# Allegro board A523-EVB-AXP717C-LPDDR4-4X-32X1-V1-0.brd (continued)
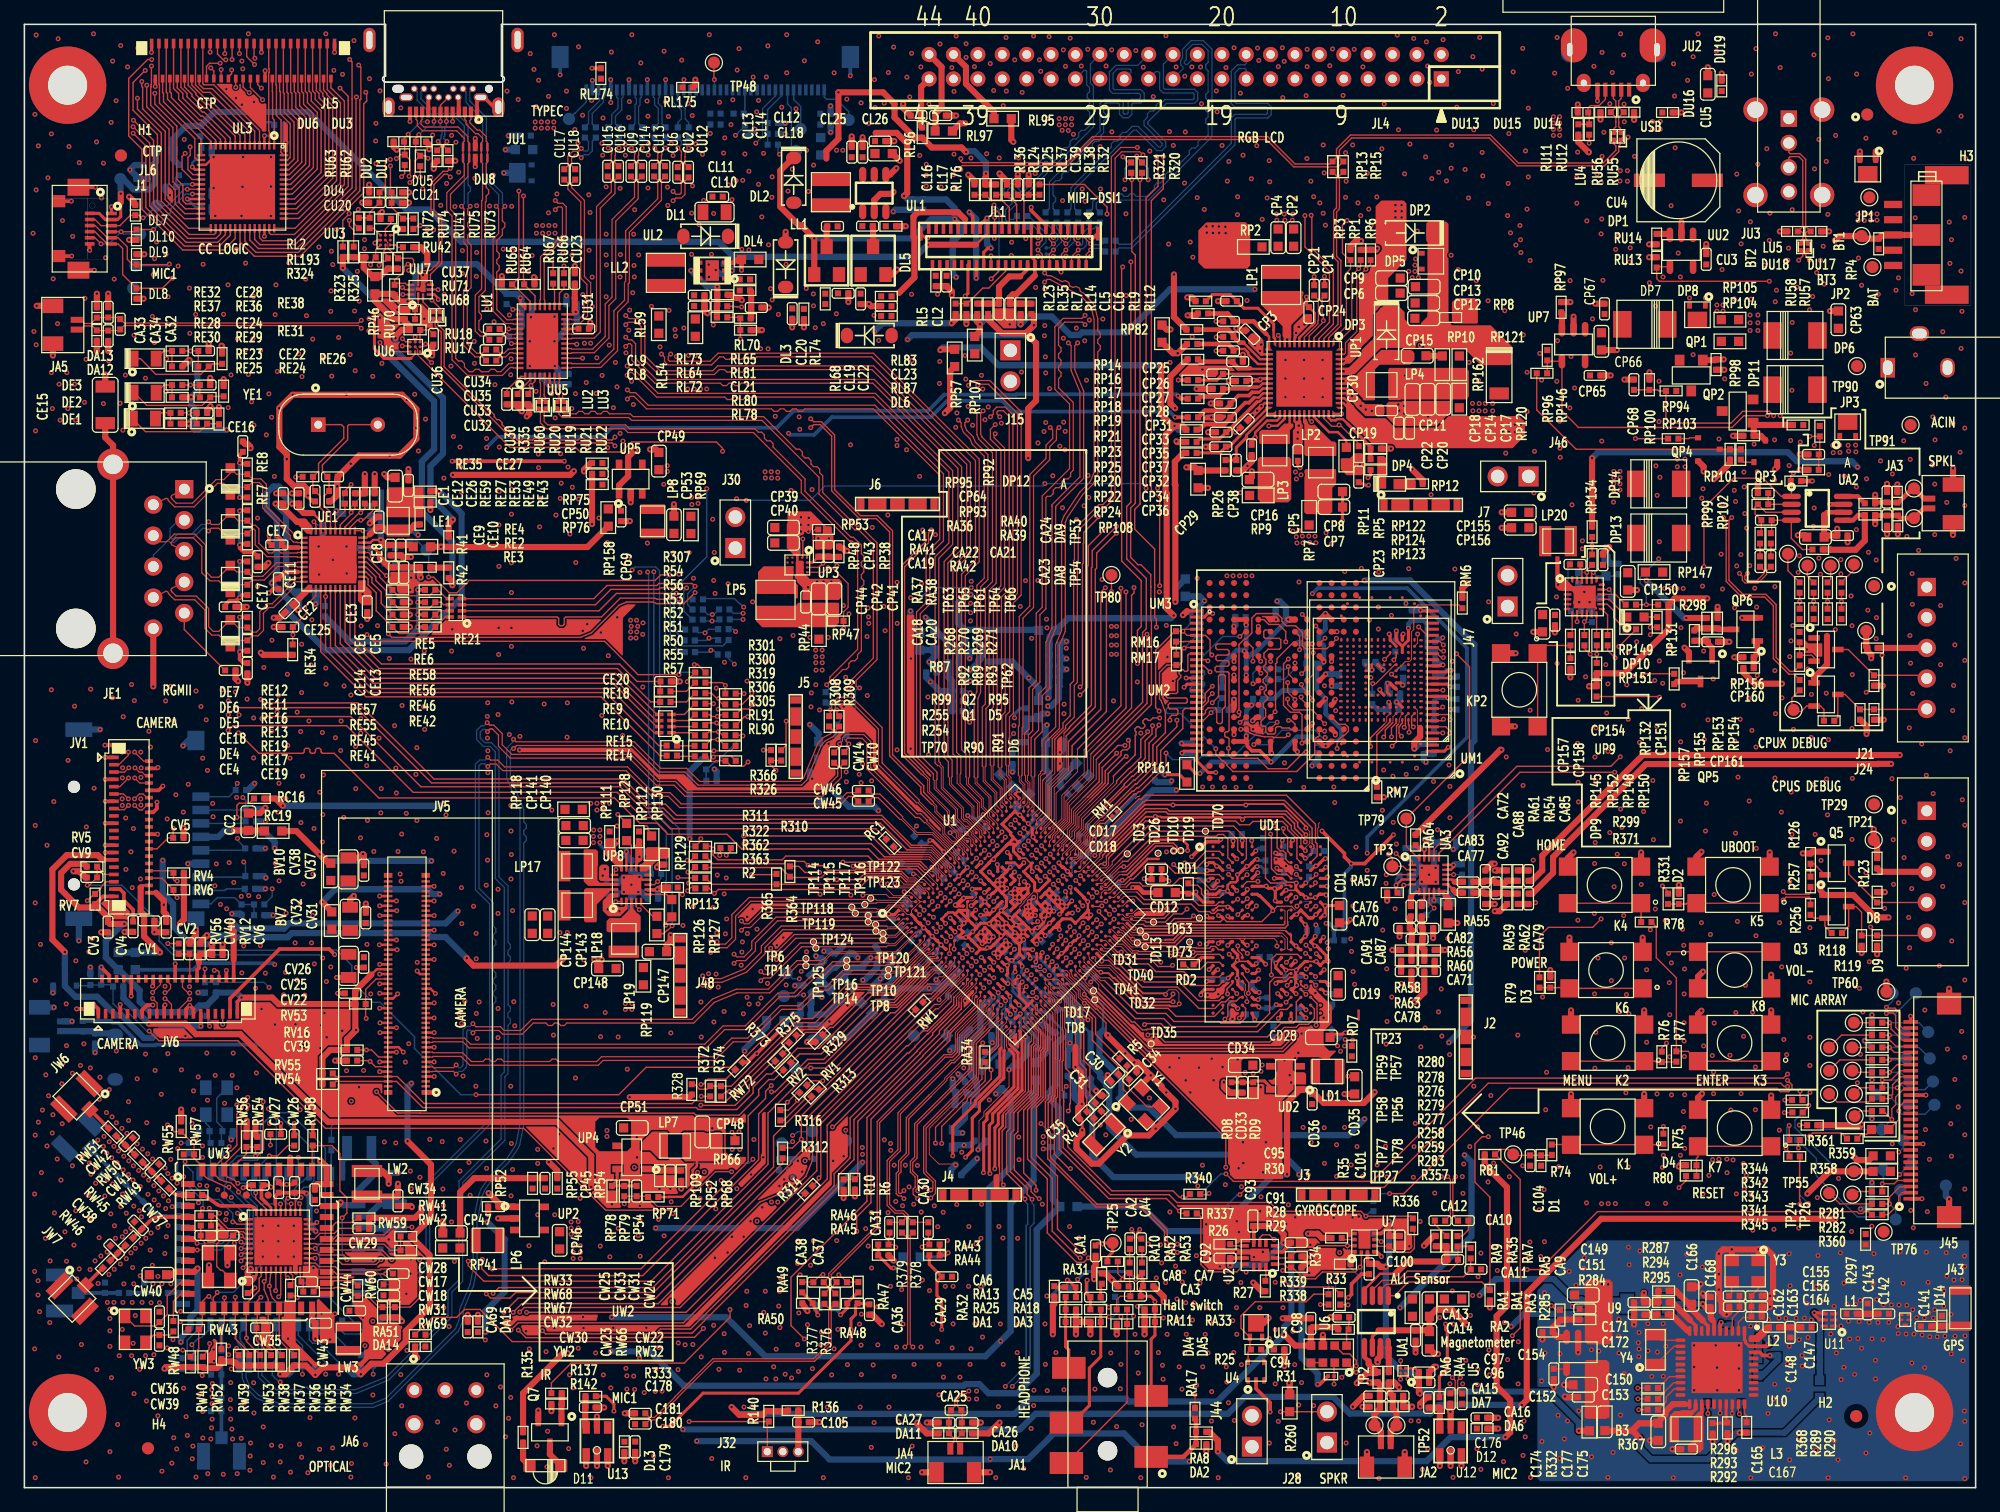
[diagram p0: board, top side]
## Routing (per net, layer and track width the routed paths; a pad name or vN(x,y) marks a point on that pad's centre or on a via; arc(x,y) is an arc through that point) (continued)
PH19: length 36.1
  TOP w0.114: v1(54.93,67.49) 54.96,67.52 55.19,67.52 R307.2 ; v1(74.91,47.68) 74.57,47.34 U1.E6
  L4 w0.076: v1(74.91,47.68) 74.37,47.68 74.02,48.03 71.42,48.03
  L4 w0.114: 71.42,48.03 66.79,48.03 64.61,50.22 63.68,50.22 54.93,58.96 v1(54.93,67.49)
  BOTTOM w0.114: v1(54.93,67.49) 54.96,67.52 55.19,67.52 55.84,66.86 R58.1
PHYRSTB: length 39.8
  TOP w0.114: UE1.12 23.9,73.15 23.11,72.36 23.11,71.68 22.73,71.3 22.73,71.3 CE25.2 22.01,69.95 v1(22.02,69.94) 22,69.92 RE34.2 ; v1(53.67,66.67) 50.31,66.67 47.58,69.41 28.64,69.41 v1(28.09,69.95)
  L4 w0.114: v1(28.09,69.95) 28.08,69.94 v1(22.02,69.94)
  BOTTOM w0.114: R58.2 53.86,66.86 v1(53.67,66.67)
PK10: length 15.2
  TOP w0.102: U1.G5 74.87,46.23 v1(75.15,45.94)
  L4 w0.114: v1(75.15,45.94) 74.26,45.94 73.57,45.25 67.79,45.25 64.12,41.58 63.69,41.58 v1(63.54,41.73)
  BOTTOM w0.114: TP88.1 63,41.73 v1(63.54,41.73)
PK11: length 15.4
  TOP w0.102: v1(74.79,45.59) 74.51,45.86 U1.G4
  L4 w0.114: v1(63.89,40.4) 63.9,40.41 63.9,40.91 67.93,44.94 73.54,44.94 74.19,45.59 v1(74.79,45.59)
  BOTTOM w0.114: v1(63.89,40.4) 63.53,40.4 63.45,40.32 62.97,40.32 62.96,40.31 TP89.1
PL4: length 45.1
  TOP w0.076: U1.AH9 83.81,40.17 84.16,40.17 84.31,40.02 84.31,39.82 84.96,39.17 84.96,37.28
  TOP w0.114: 84.96,37.28 84.96,35.1 84.9,35.04 84.9,31.79 84.9,31.79 84.9,29.73 85.17,29.46 85.17,27.89 89.04,24.02 93.86,24.02 94.5,23.38 102.13,23.38 102.85,22.66 109.6,22.66 v1(109.99,22.26) 113.66,22.26 R336.2
  BOTTOM w0.114: v1(109.99,22.26) 110.34,22.61 110.56,22.61 R346.1
PL5: length 25.9
  TOP w0.076: U1.AJ9 84.06,39.82 84.7,39.17 84.7,37.28
  TOP w0.114: R337.2 94.91,22.48 v1(94.72,22.68) 94.67,22.68 93.64,23.71 88.91,23.71 84.84,27.77 84.84,29.34 84.58,29.6 84.58,31.92 84.71,32.05 84.71,35.12 84.73,35.13 84.73,37.26 84.7,37.28
  BOTTOM w0.114: R347.1 94.91,22.49 v1(94.72,22.68)
PL6: length 50.1
  TOP w0.114: R338.2 108.52,15 v1(108.53,14.99) ; U1.AE9 82.94,41.63 v1(82.94,41.69)
  L3 w0.114: v1(95.22,15.16) 95.58,15.52 108,15.52 v1(108.53,14.99)
  L4 w0.114: v1(82.94,41.69) 82.94,41.36 82.34,40.76 82.34,40.09 82.58,39.86 82.58,36.62 81.2,35.25 81.2,33.84 81.07,33.72 81.07,28.32 82.04,27.36 82.04,26.42 84.39,24.06 84.4,24.06 86.72,21.74 87.55,21.74 94.28,15.01 95.07,15.01 v1(95.22,15.16)
  BOTTOM w0.114: v1(108.53,14.99) 108.5,15.03 R348.1
PL7: length 46.1
  TOP w0.114: v1(82.68,40.61) 82.69,40.62 82.69,40.67 U1.AF9 ; R339.2 v1(106.28,15.01)
  L3 w0.114: v1(95.92,15.15) 106.14,15.15 v1(106.28,15.01)
  L4 w0.114: v1(82.68,40.61) 83.05,40.61 83.69,39.97 83.69,36.77 81.97,35.05 81.97,27.87 82.35,27.49 82.35,26.55 86.79,22.12 88.95,22.12 v1(95.92,15.15)
  BOTTOM w0.114: v1(106.28,15.01) 106.28,15.01 R349.1
PL8: length 26.5
  TOP w0.076: U1.AG10 83.7,40.63 84.01,40.32 84.22,40.32 84.46,40.08 84.46,39.88 85.12,39.22 85.12,37.47 85.17,37.42 85.17,37.28
  TOP w0.114: 85.17,37.28 85.17,35.04 85.09,34.96 85.09,32.57 85.22,32.44 85.22,31.66 85.22,31.65 85.22,29.87 85.54,29.54 85.54,27.97 89.17,24.34 94.18,24.34 94.71,23.81 v1(95,23.81) 95.3,23.81 R340.2
  BOTTOM w0.114: v1(95,23.81) 95.3,23.81 95.57,24.08 R350.1
PL9: length 79.8
  TOP w0.076: U1.AG9 83.35,40.27 84.51,39.11 84.51,37.18 84.54,37.15
  TOP w0.114: 84.54,37.15 84.54,35.21 84.51,35.19 84.51,32.12 84.39,32 84.39,31.73 84.26,31.6 84.26,29.46 84.45,29.27 84.45,27.35 85.64,26.16 v1(85.78,26.16) ; v1(144.7,29.7) 144.7,28.94 144.73,28.92 R341.2
  L3 w0.114: v1(85.78,26.16) 93.49,26.16 97.27,29.94 108.59,29.94 109.01,29.53 112.96,29.53 114.09,30.66 119.84,30.66 120.53,29.98 144.43,29.98 v1(144.7,29.7)
  BOTTOM w0.114: R351.1 144.52,29.51 v1(144.7,29.7)
PL10: length 81.6
  TOP w0.114: v1(144.32,30.76) 144.95,30.76 R342.2 ; U1.AC9 81.94,42.15 v1(82.2,42.42)
  L3 w0.114: v1(83.54,28.8) 83.55,28.79 83.61,28.79 85.53,26.87 93.21,26.87 96.95,30.61 113.14,30.61 113.94,31.4 143.67,31.4 v1(144.32,30.76)
  L4 w0.076: v1(82.2,42.42) 82.87,42.42 83.64,41.65 83.64,41.46
  L4 w0.114: v1(83.54,28.8) 83.54,28.8 82.97,28.8 82.63,29.13 82.63,34.6 84.07,36.04 84.07,41.03 83.64,41.46
  BOTTOM w0.114: v1(144.32,30.76) 144.95,30.76 R352.1
PL11: length 83.4
  TOP w0.102: v1(82.56,42.06) 82.29,41.79 U1.AD9
  TOP w0.114: v1(145.54,29.73) 145.76,29.73 145.76,29.73 R343.2
  L3 w0.114: v1(145.54,29.73) 144.97,30.3 120.76,30.3 120.08,30.98 113.96,30.98 112.83,29.85 109.14,29.85 108.72,30.26 97.14,30.26 93.43,26.55 85.39,26.55 83.69,28.24 83.57,28.24 v1(83.53,28.29)
  L4 w0.076: v1(82.56,42.06) 83.02,42.06 83.35,41.73 83.35,41.02
  L4 w0.114: 83.35,41.02 83.88,40.48 83.88,36.3 82.29,34.71 82.29,28.7 82.7,28.29 v1(83.53,28.29)
  BOTTOM w0.114: R353.1 v1(145.54,29.73)
PL12: length 79.7
  TOP w0.102: U1.AF7 82.36,40.2 82.98,40.2 v1(82.99,40.19)
  TOP w0.114: R344.2 v1(144.35,31.78)
  L3 w0.114: v1(81.53,28.75) 81.95,29.16 83.79,29.16 85.75,27.2 93.1,27.2 96.82,30.92 113.01,30.92 113.87,31.78 v1(144.35,31.78)
  L4 w0.114: v1(81.53,28.75) 81.53,35.13 82.99,36.59 v1(82.99,40.19)
  BOTTOM w0.114: v1(144.35,31.78) 144.36,31.79 R354.1
PL13: length 84.3
  TOP w0.114: v1(82.15,41.09) 82.13,41.09 81.94,40.89 U1.AE7 ; v1(144.44,27.82) 144.71,27.55 144.71,27.18 R345.2
  L3 w0.114: v1(81.56,26.9) 82.47,26.9 84.76,24.61 94.21,24.61 97.53,27.93 107.07,27.93 107.46,27.54 114.53,27.54 115.75,28.76 119.49,28.76 119.87,29.14 143.12,29.14 v1(144.44,27.82)
  L4 w0.114: v1(82.15,41.09) 82.15,41.09 82.15,40.01 82.39,39.78 82.39,38.37 81.66,37.65 81.66,35.98 80.95,35.27 80.94,35.27 80.37,34.7 80.37,28.44 81.56,27.26 v1(81.56,26.9)
  BOTTOM w0.114: R345.2 144.71,27.18 144.71,27.55 v1(144.44,27.82)
PLLTEST: length 50.5
  TOP w0.114: v1(103,6.22) R260.1 106.8,6.22 J28.2 ; U1.AD13 83.7,43.34 v1(83.88,43.51)
  L4 w0.076: 86.27,39.45 86.27,40.45 83.88,42.84 v1(83.88,43.51)
  L4 w0.114: v1(103,6.22) 98.09,11.12 98.09,15.9 95.2,18.8 95.2,19.85 92.82,22.23 92.73,22.23 85.98,28.98 85.98,32.25 87.14,33.41 87.14,37.47 86.48,38.12 86.48,39.23 86.27,39.45
PMU-SCK: length 211.1
  TOP w0.076: U1.AJ7 83.84,38.73 83.84,38.02
  TOP w0.102: UP1.52 107.84,94.06 108.85,95.07 108.85,99.41 v1(109.41,99.97) 109.58,100.14 RP1.2
  TOP w0.114: v1(65.49,75.81) 65.28,75.59 65.25,75.59 65.13,75.47 UP3.A3 ; 83.84,38.02 83.9,37.96 83.9,35.86 83.72,35.67 83.72,31.93 82.99,31.21 82.99,27.27 84.71,25.55 84.71,21.21 86.65,19.27 86.74,19.27 86.77,19.23 v1(86.91,19.23) ; v1(52.59,46.13) 52.59,46.31 RP127.1
  L3 w0.114: v1(65.49,75.81) 65.49,76.21 64.93,76.78 60.52,76.78 59.37,75.62 56.07,75.62 55.4,74.94 54.28,74.94 53.83,74.49 51.7,74.49 v1(51.1,75.08) ; v1(60.98,93.39) 73.76,93.39 75.06,94.69 82.27,94.69 83.41,93.55 84.58,93.55 84.81,93.32 86.72,93.32 92.28,98.88 99.46,98.88 99.47,98.88 99.51,98.88 101.64,101.01 108.37,101.01 v1(109.41,99.97) ; v1(52.59,46.13) 52.59,22.54 53.65,21.48 60.32,21.48 60.91,22.07 72.44,22.07 74.75,19.76 75.98,19.76 76.48,19.26 86.87,19.26 86.9,19.23 v1(86.91,19.23)
  L4 w0.114: v1(60.98,93.39) 60.79,93.2 60.79,87.03 65.55,82.27 65.55,75.86 v1(65.49,75.81)
  BOTTOM w0.114: v1(52.59,46.13) 52.59,49.77 52.64,49.82 52.64,53.8 51.18,55.26 51.18,75.01 v1(51.1,75.08)
PMU-SDA: length 213.2
  TOP w0.076: 83.71,36.85 83.71,37.9 83.66,37.95 83.66,38.1 83.67,38.11 83.67,38.53 83.07,39.13 83.07,39.49 U1.AH7
  TOP w0.102: RP6.2 110.39,100.31 v1(110,99.93) 109.25,99.18 109.25,94.81 108.33,93.88 108.33,93.05 108.22,92.94 UP1.51
  TOP w0.114: v1(53.11,46.08) 52.73,45.69 52.68,45.69 52.42,45.43 RP126.1 ; v1(63.83,77.8) 63.83,76.32 UP3.B1 ; 83.71,36.85 83.71,35.94 83.53,35.75 83.53,32.01 82.57,31.06 82.57,27.08 84.28,25.37 84.28,21.03 86.46,18.85 v1(86.56,18.85)
  L3 w0.114: v1(53.11,46.08) 53.11,46.12 52.74,46.49 52.44,46.49 52.13,46.18 52.13,25.07 51.72,24.65 51.72,22.82 53.48,21.06 60.51,21.06 61.09,21.64 72.28,21.64 75.07,18.84 86.56,18.84 v1(86.56,18.85) ; v1(51.61,75.11) 51.87,75.36 55.22,75.36 55.9,76.04 59.19,76.04 60.9,77.75 63.78,77.75 v1(63.83,77.8) ; v1(110,99.93) 109.63,99.55 109.58,99.55 109.24,99.55 108.2,100.59 101.84,100.59 99.69,98.44 92.44,98.44 86.9,92.9 84.44,92.9 84.23,93.12 83.11,93.12 81.95,94.27 75.28,94.27 73.96,92.96 60.81,92.96 v1(60.37,93.41)
  L4 w0.114: v1(63.83,77.8) 64.31,77.8 65.12,78.61 65.12,82.1 60.37,86.85 v1(60.37,93.41)
  BOTTOM w0.114: v1(53.11,46.08) 53.11,53.98 51.61,55.47 v1(51.61,75.11)
PS: length 40.6
  TOP w0.203: 104.33,87.27 104.15,87.45 UP1.31 ; UP1.32 104.55,87.41 104.56,87.4 ; 109.01,89.55 108.41,90.14 UP1.44 ; UP1.15 101.5,92.94 ; 108.38,89.75 107.83,89.75 UP1.43 ; 104.2,94.31 104.15,94.25 UP1.9 ; UP1.25 102.06,88.95 101.7,88.95 101.45,88.69 v1(101.44,88.69)
  TOP w0.254: UP1.20 101.39,90.94 v1(101.34,90.89)
  TOP w0.381: v1(101.34,90.89) 101.26,90.82 v1(100.77,90.82) 100.27,90.82 CP30.1 ; v1(101.44,88.69) 101.44,88.68 101.15,88.39 101.15,88.39 v1(101.08,88.32) 100.72,87.96 v1(100.71,87.96) 100.71,87.95 100.44,87.68 100.44,87.66 CP29.1
  TOP w0.508: v1(44.2,43.42) 43.59,42.81 36.82,42.81 36.27,43.36 v1(36.27,43.42) ; v1(14.96,45.29) 14.96,45.27 14.43,44.73 RV12.1
  BOTTOM w0.508: v1(14.96,45.29) 17.12,45.29 17.27,45.14 21.59,45.14 21.93,45.47 33.05,45.47 33.37,45.15 34.54,45.15 v1(36.27,43.42)
  vias: v1(44.83,21.79) v1(44.83,21.29) v1(44.83,20.78) v1(45.42,21.82) v1(45.42,21.29) v1(45.42,20.78) v1(47.42,50.19) v1(47.6,50.72) v1(47.83,47.42) v1(47.77,29.29) v1(47.77,28.8) v1(48.29,47.22) v1(48.8,47.27) v1(52.71,83.81) v1(52.71,83.33) v1(54.44,92.85) v1(55,92.84) v1(60.73,83.31) v1(60.76,82.8) v1(61.24,83.31) v1(61.26,82.8) v1(61.77,83.29) v1(61.77,82.78) v1(66.6,109.68) v1(67.11,109.68) v1(71.55,85.96) v1(71.55,85.46) v1(100.11,34.05) v1(100.76,33.96) v1(100.91,93.68) v1(101.32,93.22) v1(101.42,93.74) v1(101.39,34.14) v1(101.5,34.65) v1(104.27,94.68) v1(104.42,86.54) v1(104.39,86.03) v1(104.5,95.19) v1(104.5,87.1) v1(104.96,95.39) v1(108.86,89.53) v1(109.25,89.15) v1(109.58,88.72) v1(109.98,88.42) v1(110.49,88.29) v1(118.74,88.91) v1(118.77,88.3) v1(119.29,88.91) v1(119.28,88.3) v1(119.79,88.91) v1(119.78,88.3) v1(120.39,88.91) v1(120.39,88.3) v1(128.87,16.72) v1(129.32,23.28) v1(129.36,16.68) v1(129.87,23.29) v1(129.86,16.67) v1(130.45,23.29)
PS-EINT: length 116.9
  TOP w0.114: U6.2 107.39,10.19 R31.1 v1(107.39,8.48) ; v1(59.77,64.24) 59.39,63.86 58.81,63.86 R319.1
  L3 w0.114: v1(59.77,64.24) 61.06,62.94 61.06,50.75 55.1,44.79 55.1,38.83 56.88,37.05 56.88,26.2 58.42,24.66 v1(58.42,24.51) ; v1(107.39,8.48) 106.88,7.98 98.91,7.98 96.69,5.76 85.74,5.76 84.41,7.09 79.26,7.09 78.75,6.59 74.62,6.59 74.23,6.98 59.38,6.98 v1(59,6.6)
  L4 w0.114: v1(59,6.6) 59,6.91 57.85,8.06 57.85,10.96 58.42,11.53 v1(58.42,24.51)
PWRON: length 80.3
  TOP w0.102: UP1.6 105.35,94.44 106.51,95.6 v1(106.51,95.7) 106.51,96.06 106.41,96.16 106.41,97.57 CP1.1
  TOP w0.114: R79.1 124.23,45.21 124.97,45.95 128.59,45.95 v1(129.29,46.64)
  L3 w0.114: v1(106.51,95.7) 109.25,92.96 121.72,92.96 v1(123.22,91.47)
  L4 w0.114: v1(123.22,91.47) 124.38,90.3 124.38,80.37 127.36,77.39 127.36,76.81 127.71,76.45 127.79,76.45 129.13,75.11 129.13,74.65 128.71,74.23 128.71,69.63 128.04,68.95 128.04,67.62 129.29,66.37 v1(129.29,46.64)
REGOUT: length 5.4
  TOP w0.203: UE1.30 28.04,77.9 28.32,78.17
  TOP w0.508: 28.32,78.17 28.91,78.76 CE8.1 29.38,78.76 29.66,78.49 LE1.1 31.57,78.49 32,78.97 RE3.1
RGMII-CLKIN-125M: length 55.5
  TOP w0.114: v1(26.79,82.26) 26.29,81.76 RE27.1
  L4 w0.114: v1(26.79,82.26) 42.25,82.26 49.25,75.26 v1(49.83,75.26)
  BOTTOM w0.102: v1(26.79,82.26) 26.13,81.61 CE23.1
  BOTTOM w0.114: R49.2 55,52.56 54.28,52.56 53.68,53.16 53.68,54.07 52.09,55.66 52.09,75.18 51.77,75.5 50.07,75.5 v1(49.83,75.26)
RGMII-MDC: length 1.5
  TOP w0.114: RE14.1 53.57,59.97 R57.2
RGMII-MDIO: length 1.5
  TOP w0.114: RE15.1 53.54,60.83 R55.2
RGMII-RXCK: length 33.7
  TOP w0.114: v1(52.91,74.85) 52.17,74.85 51.72,74.4 36.48,74.4 35.46,73.38 34.84,73.38 33.55,74.67 v1(33.15,74.67)
  BOTTOM w0.114: v1(52.91,74.85) 52.54,74.49 52.54,69.74 53.77,68.52 R47.2 ; v1(33.15,74.67) 33.15,76.71 TP19.1 32.21,77.65 CE21.1 31.03,77.06 RE20.1
RGMII-RXCTL: length 28.7
  TOP w0.114: v1(29.84,70.01) 30.12,69.73 45.6,69.73 46.5,70.11 48.78,72.38 49.37,72.62 51.55,72.62 51.86,72.5 54.08,72.5 v1(54.99,73.41)
  BOTTOM w0.102: RE22.1 29.84,70.01 v1(29.84,70.01)
  BOTTOM w0.114: v1(54.99,73.41) 54.79,73.21 R48.2
RGMII-RXD0: length 22
  TOP w0.114: RE21.4 46.69,72.9 47.77,73.98 51.86,73.98 52.03,74.15 54.76,74.15 v1(54.99,73.91)
  BOTTOM w0.114: v1(54.99,73.91) 54.99,73.91 54.38,73.31 54.38,72.41 R46.2
RGMII-RXD1: length 22
  TOP w0.114: RE21.3 46.83,72.4 48.09,73.66 51.99,73.66 52.11,73.79 v1(54.31,73.79)
  BOTTOM w0.114: v1(54.31,73.79) 54.07,73.55 54.07,71.89 R45.2
RGMII-RXD2: length 22.5
  TOP w0.114: v1(53.45,73.33) 48.54,73.33 47.11,71.9 RE21.2
  BOTTOM w0.114: R44.2 53.28,70.33 53.28,73.19 53.42,73.33 v1(53.45,73.33)
RGMII-RXD3: length 22.3
  TOP w0.114: RE21.1 43.69,71.4 43.81,71.29 43.81,70.8 43.92,70.69 44.15,70.69 44.27,70.8 44.27,71.29 44.38,71.4 47.32,71.4 48.86,72.94 51.68,72.94 51.89,72.86 v1(53.64,72.86)
  BOTTOM w0.114: v1(53.64,72.86) 53.75,72.75 53.75,70.79 R43.2
RGMII-TXCK: length 2.3
  TOP w0.114: RE18.1 54.28,65.3 R54.2
RGMII-TXCTL: length 2.3
  TOP w0.114: R56.2 54.28,64.44 RE9.1
RGMII-TXD0: length 2.3
  TOP w0.114: R53.2 54.11,63.41 RE10.4
RGMII-TXD1: length 2.1
  TOP w0.114: RE10.3 54.49,62.91 R52.2
RGMII-TXD2: length 2
  TOP w0.114: R51.2 54.85,62.41 RE10.2
RGMII-TXD3: length 2
  TOP w0.114: R50.2 54.77,61.91 RE10.1
RSET: length 1.6
  TOP w0.114: UE1.39 23.9,79.06 v1(23.75,79.21)
  BOTTOM w0.102: RE40.2 24.01,78.95 v1(23.75,79.21)
RTC-I: length 2.7
  TOP w0.114: U10.12 135.28,11.6 Y4.1
RTC-O: length 2.2
  TOP w0.114: U10.11 134.2,12.1 Y4.2
RX00: length 10.7
  TOP w0.114: JL5.37 14.63,115.13 14.72,115.04 15.53,115.04 19.28,111.29 UL3.4
RX01: length 7.8
  TOP w0.114: UL3.5 18.88,111.24 15.39,114.73 14.69,114.73 14.33,115.08 JL5.38
RX02: length 10.5
  TOP w0.114: UL3.6 18.48,111.18 15.23,114.43 14.65,114.43 14.03,115.04 JL5.39
RX03: length 7.4
  TOP w0.114: UL3.7 18.08,110.95 15.24,113.79 14.96,113.79 13.73,115.02 JL5.40
RX04: length 10.3
  TOP w0.114: UL3.8 17.68,110.89 15.11,113.46 14.84,113.46 14.07,114.23 14.07,114.35 13.43,114.99 JL5.41
RX05: length 7.3
  TOP w0.114: UL3.9 17.28,110.84 14.99,113.13 14.72,113.13 13.74,114.11 13.74,114.26 13.13,114.87 JL5.42
RX06: length 10.1
  TOP w0.114: UL3.10 16.88,110.67 14.75,112.8 14.6,112.8 13.34,114.07 13.34,114.34 12.83,114.85 JL5.43
RX07: length 7.2
  TOP w0.114: UL3.11 16.48,110.62 14.63,112.47 14.48,112.47 12.99,113.96 12.99,114.34 12.53,114.8 JL5.44
RX08: length 10
  TOP w0.114: JL5.45 12.23,114.74 12.65,114.33 12.65,113.85 14.36,112.14 14.5,112.14 16.08,110.56 UL3.12
RX09: length 7.1
  TOP w0.114: JL5.46 11.93,114.46 12.05,114.34 12.05,114 14.24,111.81 14.38,111.81 15.68,110.51 UL3.13
RX10: length 9.9
  TOP w0.114: UL3.14 15.28,110.42 14.22,111.48 14.12,111.48 11.73,113.87 11.73,114.34 11.63,114.45 JL5.47
RX11: length 7.6
  TOP w0.114: JL5.48 11.33,114.42 11.4,114.34 11.4,113.66 14.48,110.58 UL3.15
RX12: length 11.2
  TOP w0.114: JL5.49 11.03,115.09 11.07,115.04 11.07,113.54 13.97,110.64 13.97,109.05 14.14,108.88 UL3.16
RX13: length 20
  TOP w0.114: v1(10.69,114.35) 10.69,113.47 12.5,111.67 12.5,107.3 13,106.8 13,105.53 13.25,105.28 UL3.25 ; JL5.36 14.93,116.56 15.19,116.81 v1(16.05,116.81)
  L3 w0.114: v1(10.69,114.35) 13.71,114.35 15.75,116.39 15.75,116.51 v1(16.05,116.81)
RX14: length 20.2
  TOP w0.114: JL5.35 v1(15.23,117.72) ; UL3.26 13.2,104.88 12.68,105.4 12.68,106.59 12.18,107.09 12.18,111.54 10.36,113.36 10.36,114.85 10.39,114.88 10.39,115.06 10.41,115.09 v1(10.41,116.59)
  L3 w0.114: v1(10.41,116.59) 11.68,116.59 12.82,117.72 v1(15.23,117.72)
RX15: length 20
  TOP w0.114: v1(15.28,116.43) 15.53,116.18 JL5.34 ; UL3.27 13.15,104.48 12.36,105.27 12.36,106.43 11.86,106.93 11.86,111.4 10.03,113.23 v1(10.03,115.01)
  L3 w0.114: v1(10.03,115.01) 10.61,115.59 14.44,115.59 v1(15.28,116.43)
RX16: length 23.5
  TOP w0.114: v1(9.63,115.32) 9.63,114.91 9.7,114.84 9.7,113.08 11.54,111.23 11.54,105.64 12.28,104.9 13.12,104.06 14.47,104.06 UL3.28 ; v1(16.51,117.09) 16.31,117.09 15.83,117.57 JL5.33
  L3 w0.114: v1(16.51,117.09) 16.43,117.18 15.9,117.18 15.77,117.04 15.17,117.04 14.03,115.91 10.22,115.91 v1(9.63,115.32)
RX17: length 22.8
  TOP w0.114: v1(9.27,113.94) 9.27,113.05 11.23,111.1 11.23,105.51 11.95,104.78 13.45,103.28 UL3.29 ; JL5.32 v1(16.13,116.29)
  L3 w0.114: v1(9.27,113.94) 13.78,113.94 v1(16.13,116.29)
RX18: length 26.3
  TOP w0.114: JL5.31 v1(16.43,117.6) ; v1(9.91,116.22) 8.91,115.23 8.91,112.96 10.91,110.96 10.91,105.37 11.62,104.66 13.51,102.77 15.58,102.77 15.68,102.87 UL3.30
  L3 w0.114: v1(16.43,117.6) 15.88,117.6 15.64,117.36 15.03,117.36 13.9,116.22 v1(9.91,116.22)
RX19: length 25.4
  TOP w0.114: v1(16.99,116.26) 16.99,115.95 16.73,115.69 JL5.30 ; v1(8.94,112.14) 10.59,110.49 10.59,105.24 13.38,102.45 15.71,102.45 16.08,102.82 UL3.31
  L3 w0.114: v1(16.99,116.26) 12.99,112.27 9.07,112.27 v1(8.94,112.14)
RX20: length 28
  TOP w0.114: v1(8.92,111.61) 10.27,110.25 10.27,105.11 13.25,102.14 15.85,102.14 16.48,102.77 UL3.32 ; v1(17.03,117.12) JL5.29
  L3 w0.114: v1(8.92,111.61) 10,111.61 10.33,111.94 13.18,111.94 17.35,116.11 17.35,116.8 v1(17.03,117.12)
RX21: length 26.4
  TOP w0.114: JL5.28 v1(17.33,114.83) ; UL3.33 16.88,102.71 15.99,101.82 13.12,101.82 9.96,104.98 9.96,110.03 v1(8.92,111.07)
  L3 w0.114: v1(17.33,114.83) 13.98,111.48 10.32,111.48 9.92,111.07 v1(8.92,111.07)
RX22: length 32.6
  TOP w0.114: v1(10.44,117.12) 10.1,117.12 8.55,115.57 8.55,110.85 9.64,109.77 9.64,104.85 12.99,101.5 16.35,101.5 17.28,102.43 UL3.34 ; JL5.27 v1(17.63,117.6)
  L3 w0.114: v1(10.44,117.12) 11.41,118.09 17.15,118.09 v1(17.63,117.6)
RX23: length 33.3
  TOP w0.114: v1(18.44,114.41) 18.38,114.41 17.93,114.86 JL5.26 ; UL3.35 17.68,102.16 18.85,100.98 22.6,100.98 27.83,106.21 27.83,113.47 28.07,113.72 28.07,114.35 v1(27.99,114.43)
  L3 w0.114: v1(18.44,114.41) 27.21,114.41 27.3,114.5 27.91,114.5 v1(27.99,114.43)
RX24: length 33.9
  TOP w0.114: v1(18.87,116.71) 18.23,117.35 JL5.25 ; v1(27.41,116.66) 27.59,116.48 27.59,113.9 27.51,113.81 27.51,106.34 22.47,101.3 18.99,101.3 18.08,102.21 UL3.36
  L3 w0.114: v1(18.87,116.71) 27.36,116.71 v1(27.41,116.66)
RX25: length 29.6
  TOP w0.114: v1(19.53,113.82) 18.53,114.82 JL5.24 ; UL3.37 18.48,102.31 19.17,101.62 22.34,101.62 27.19,106.47 27.19,114.01 v1(27.23,114.05)
  L3 w0.114: v1(19.53,113.82) 19.65,113.7 26.88,113.7 v1(27.23,114.05)
RX26: length 30.7
  TOP w0.114: v1(18.9,117.22) 18.83,117.29 JL5.23 ; UL3.38 18.88,102.36 19.31,101.94 22.21,101.94 26.87,106.6 26.87,113.89 26.87,113.9 26.87,116.92 v1(26.67,117.12)
  L3 w0.114: v1(26.67,117.12) 19,117.12 v1(18.9,117.22)
RX27: length 25.7
  TOP w0.114: JL5.22 19.13,115.07 v1(19.43,114.77) ; UL3.39 19.28,102.5 19.53,102.25 22.08,102.25 26.55,106.73 26.55,113.76 26.55,113.76 26.55,114.1 v1(25.88,114.77)
  L3 w0.114: v1(19.43,114.77) v1(25.88,114.77)
RX-1N: length 22.5
  TOP w0.102: UU5.31 40.09,95.42 40.05,95.47 39.45,95.47 38.43,96.48 38.43,102.39 38.88,102.85 38.88,104.88 v1(38.69,105.08)
  BOTTOM w0.102: JU1.B10 36.22,114.47 36.22,113.59 37.57,112.24 37.57,110.39 37.47,110.29 DU9.9 DU9.2 37.47,108.69 37.57,108.6 37.57,107.36 38.89,106.04 38.89,105.29 v1(38.69,105.08)
RX-1P: length 22.5
  TOP w0.102: UU5.30 40.09,95.82 40.05,95.77 39.57,95.77 38.73,96.61 38.73,99.69 38.94,99.89 38.94,100.19 38.73,100.39 38.73,100.7 38.94,100.9 38.94,101.2 38.73,101.4 38.73,102.27 39.19,102.72 39.19,103.19 39.39,103.39 39.39,103.7 39.19,103.9 39.19,104.87 v1(39.4,105.08)
  BOTTOM w0.102: v1(39.4,105.08) 39.2,105.29 39.2,106.17 37.88,107.49 37.88,108.6 37.97,108.69 DU9.1 DU9.10 37.97,110.31 37.88,110.41 37.88,112.37 36.53,113.72 36.53,114.48 JU1.B11
RX-2N: length 30.8
  TOP w0.102: JU1.A10 32.62,112.21 32.52,112.11 32.52,111.83 32.77,111.58 35.57,111.58 36,111.15 36,111.15 36.37,110.79 36.37,110.39 36.47,110.29 DU8.9 DU8.2 36.47,108.69 36.37,108.6 36.37,107.5 34.94,106.07 34.94,104.84 35.37,104.41 35.37,92.61 35.58,92.4 35.87,92.4 36.08,92.18 36.08,91.9 36.47,91.51 36.77,91.51 36.97,91.71 37.28,91.71 37.48,91.51 38.05,91.51 38.25,91.71 38.56,91.71 38.76,91.51 39.06,91.51 39.72,92.17 40.05,92.17 40.09,92.22 UU5.39
RX-2P: length 30.8
  TOP w0.102: JU1.A11 32.12,112.21 32.21,112.11 32.21,111.7 32.64,111.28 35.44,111.28 35.87,110.85 35.88,110.85 36.06,110.66 36.06,110.41 35.97,110.31 DU8.10 DU8.1 35.97,108.69 36.06,108.6 36.06,107.63 34.63,106.19 34.63,104.71 35.06,104.28 35.06,92.49 36.34,91.21 39.19,91.21 39.85,91.87 40.05,91.87 40.09,91.82 UU5.40
RXC/PHYAD1: length 4.1
  TOP w0.102: UE1.27 28.22,76.7 v1(28.51,76.4)
  BOTTOM w0.102: RE48.1 RE20.2 RE47.2 28.36,76.55 v1(28.51,76.4)
RXCTL/PHYAD2: length 5.4
  TOP w0.114: v1(29.69,74.79) 29.5,74.9 28.11,76.3 UE1.26
  BOTTOM w0.102: v1(29.69,74.79) 29.92,74.56 RE52.1 RE51.2 29.84,73.04 RE22.2
RXD0/RXDLY: length 8.9
  TOP w0.114: UE1.25 28.06,75.9 29.14,74.82 29.14,74.67 RE57.2 30.66,73.14 33.21,73.14 RE58.1 33.91,73.63 34.63,72.9 RE21.5
RXD1/TXDLY: length 9.3
  TOP w0.114: UE1.24 28.01,75.5 28.82,74.69 28.82,74.4 29.66,73.56 29.66,73.13 RE55.2 30.69,72.1 33.19,72.1 RE56.1 34.16,72.61 34.37,72.4 RE21.6
RXD2/PLLOFF: length 10
  TOP w0.114: RE21.7 34,71.9 RE46.1 33.2,71.1 30.68,71.1 RE45.2 29.26,72.51 29.26,73.45 28.5,74.21 28.5,74.61 28.02,75.1 UE1.23
RXD3/PHYAD0: length 10.8
  TOP w0.114: UE1.22 28.01,74.7 28.18,74.52 28.18,74.05 28.85,73.39 28.85,71.91 RE41.2 30.71,70.05 33.17,70.05 RE42.1 34.52,71.4 RE21.8
S-PWM-9: length 43.5
  TOP w0.076: 83.52,37.29 83.52,37.67 83.04,38.15 83.04,38.46 82.64,38.86 U1.AH6
  TOP w0.114: 83.52,37.29 83.52,36.01 83.34,35.83 83.34,32.09 82.26,31.01 82.26,26.94 83.87,25.32 83.87,20.89 86.29,18.47 86.87,18.47 v1(87.24,18.84)
  L4 w0.114: v1(87.24,18.84) 87.24,18.38 96.78,8.84 97.71,8.84 J44.2
SAA0: length 9.3
  TOP w0.076: U1.AE29 90.16,48.85 91.21,48.85
  TOP w0.114: 91.21,48.85 91.84,48.22 95.83,48.22 96.31,47.75 97.68,47.75 97.95,48.01 UD1.H2
SAA1: length 9.8
  TOP w0.076: U1.AE28 89.71,48.05 90.15,48.49 91.11,48.49
  TOP w0.114: 91.11,48.49 91.75,47.85 95.68,47.85 96.29,47.24 97.19,47.24 97.33,47.1 97.58,47.1 97.83,47.35 97.85,47.35 97.86,47.36 UD1.J2